# KiCad board ciaa_acc.kicad_pcb (continued)
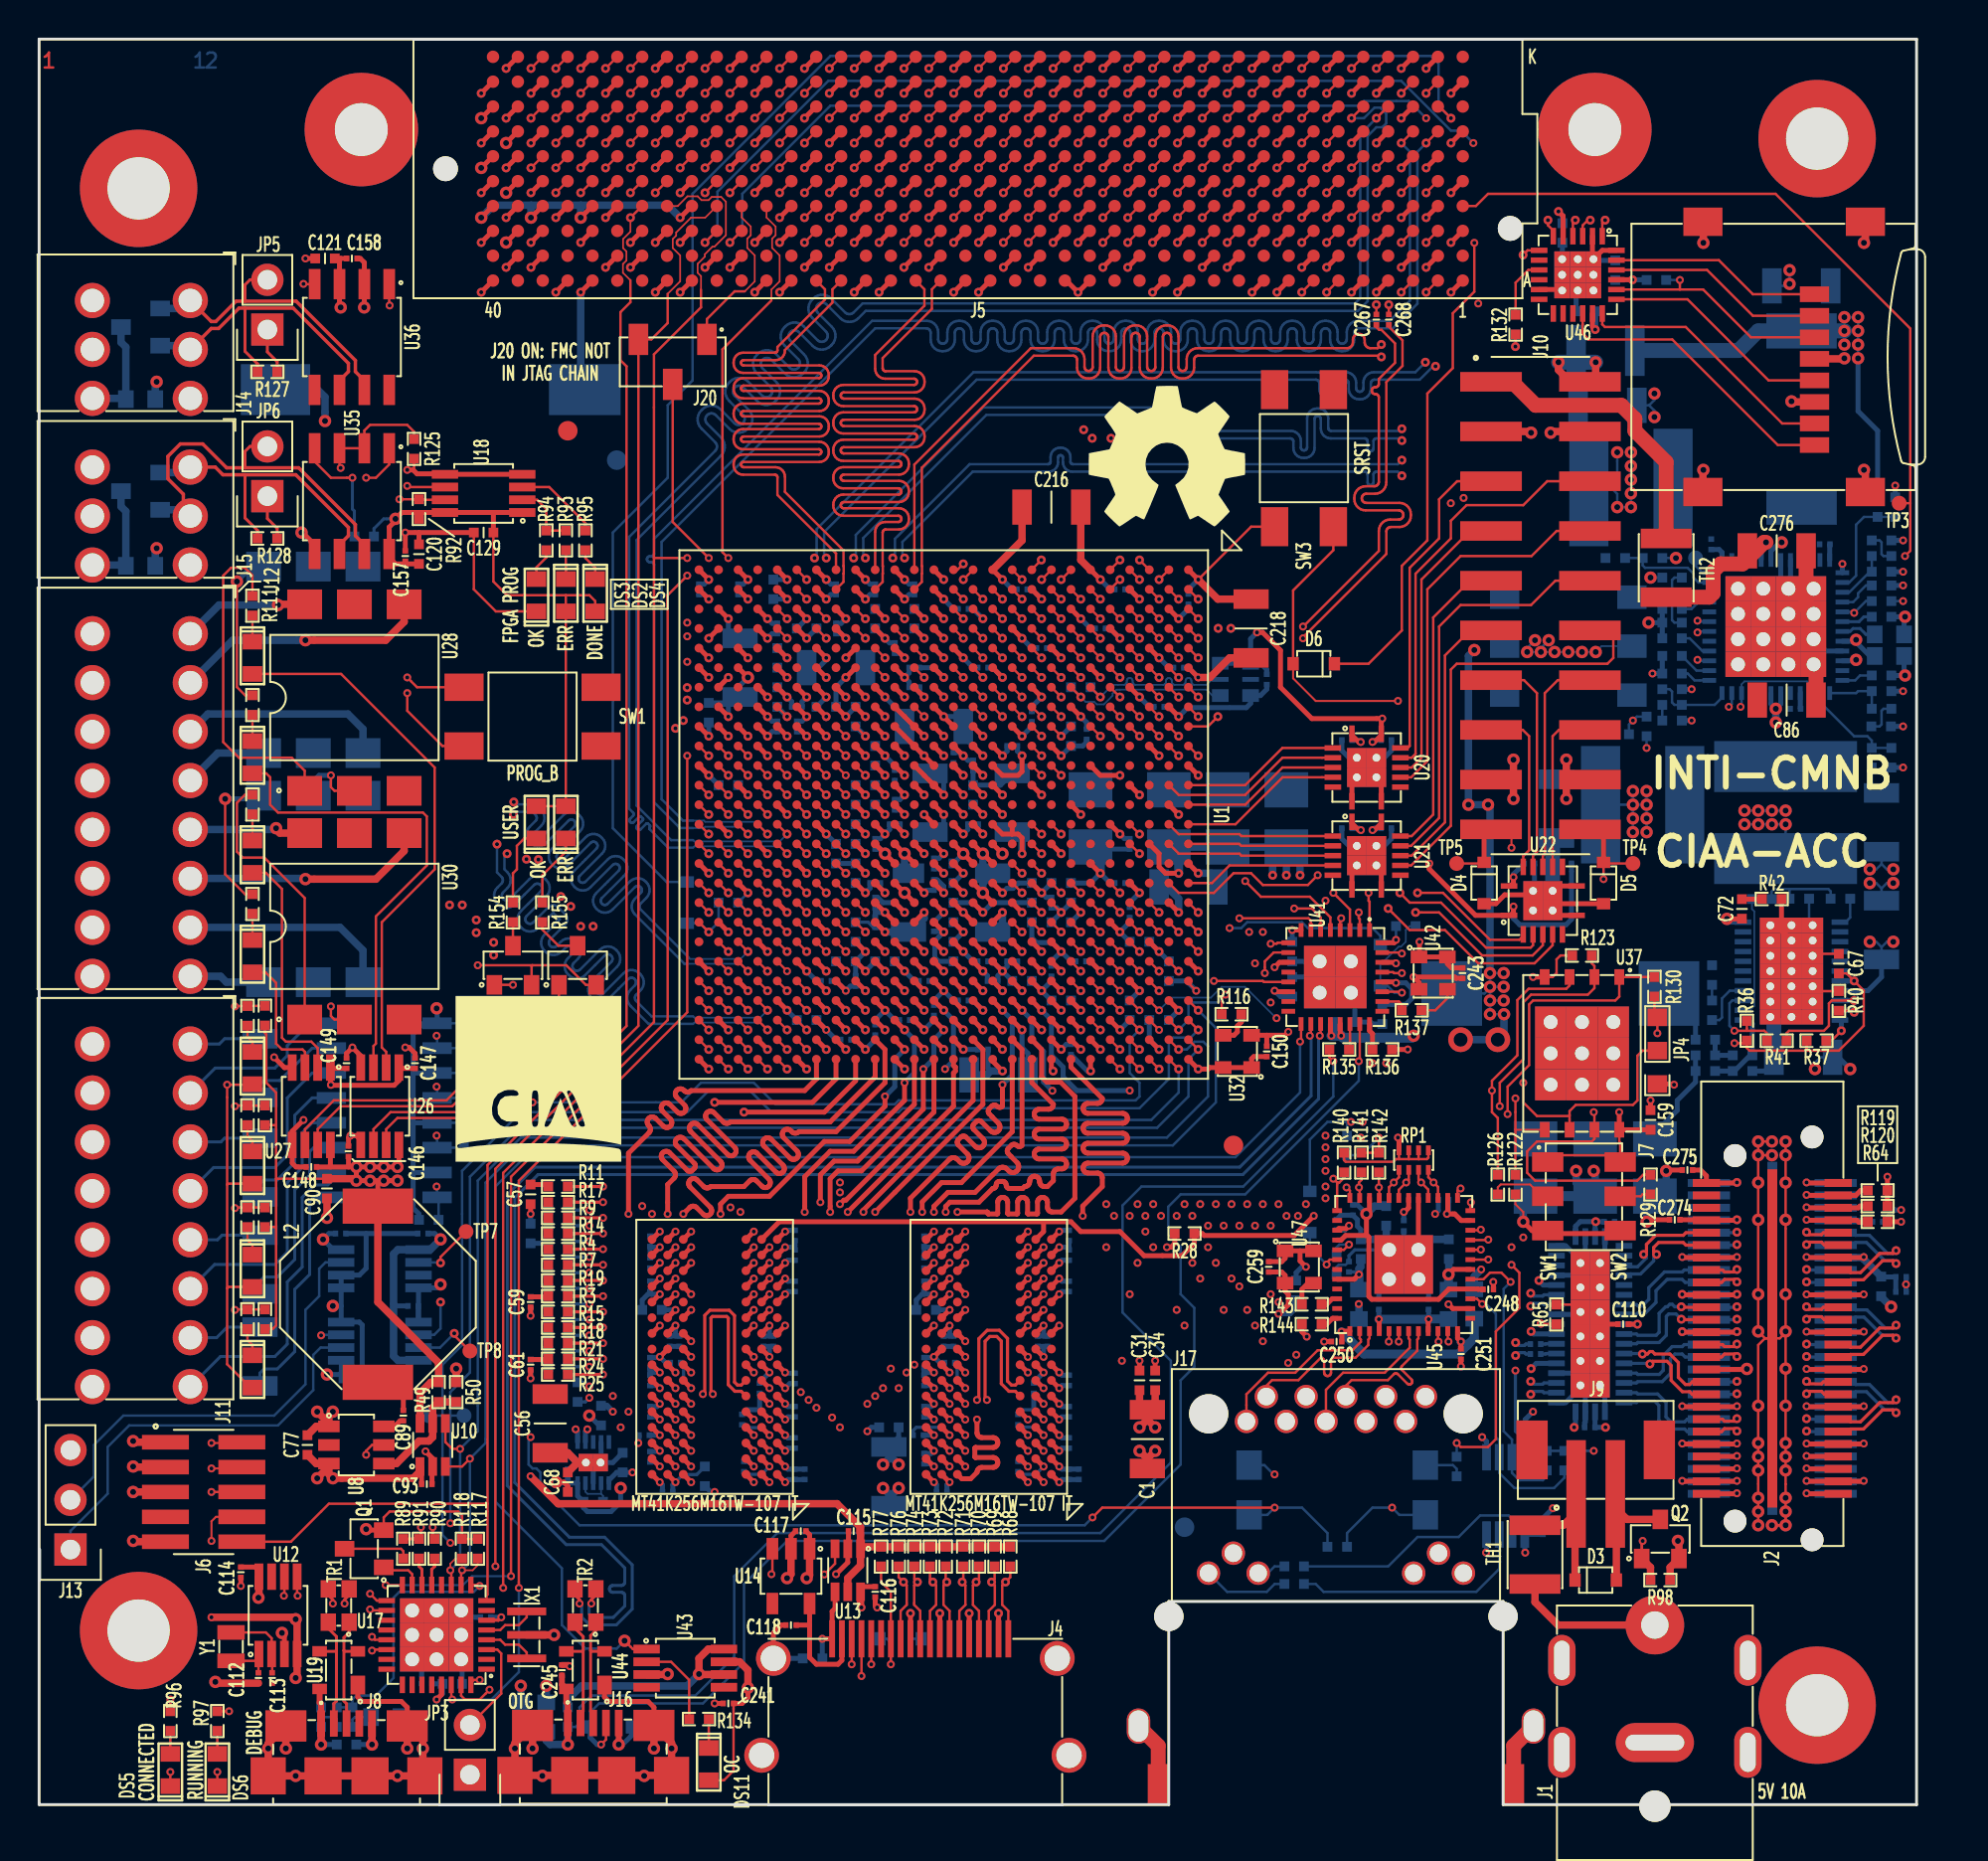
[diagram p0: board, top side]
## Routing (per net, layer and track width the routed paths; a pad name or vN(x,y) marks a point on that pad's centre or on a via; arc(x,y) is an arc through that point) (continued)
/Principal/BANKS_HP/FMC_HB_19_N: length 54.3
  TOP_L1.Sig w0.127: J5.E34 30.79,82.92 v2(30.2,82.32) ; U1.K3 v2(50.2,60.57)
  L5.Sig w0.089: v2(50.2,60.57) 49.7,60.07 49,60.07 48.58,60.49 48.58,63.13 48.56,63.15 48.56,63.76 45.89,66.44 29.12,66.44 28.96,66.6 28.91,66.67 28.87,66.74 28.85,66.82 28.85,66.9 28.87,66.98 28.91,67.06 28.96,67.12 29.07,67.24 29.09,67.26 29.1,67.28 29.1,67.3 29.1,67.33 29.1,67.35 29.09,67.37 29.07,67.39 29.05,67.41 29.03,67.42 29,67.42 28.98,67.42 28.96,67.42 28.93,67.41 28.91,67.39 28.21,66.69 28.14,66.63 28.07,66.6 27.99,66.58 27.91,66.58 27.83,66.6 27.75,66.63 27.69,66.69 27.66,66.72 27.61,66.78 27.57,66.86 27.55,66.94 27.55,67.02 27.57,67.1 27.61,67.17 27.66,67.24 27.91,67.49 27.93,67.51 27.94,67.53 27.94,67.56 27.94,67.58 27.94,67.61 27.93,67.63 27.91,67.65 27.77,67.79 27.77,68.37 27.77,68.4 27.76,68.44 27.74,68.47 27.71,68.49 27.68,68.51 27.65,68.52 27.61,68.53 26.9,68.53 26.8,68.54 26.72,68.57 26.64,68.62 26.57,68.68 26.52,68.76 26.49,68.85 26.48,68.94 26.48,68.99 26.49,69.08 26.52,69.17 26.57,69.25 26.64,69.32 26.72,69.37 26.8,69.4 26.9,69.41 28.9,69.41 28.94,69.41 28.97,69.42 29,69.44 29.03,69.47 29.05,69.5 29.06,69.53 29.06,69.57 29.06,69.6 29.05,69.64 29.03,69.67 29,69.69 28.97,69.71 28.94,69.72 28.9,69.73 26.9,69.73 26.8,69.74 26.72,69.77 26.64,69.82 26.57,69.88 26.52,69.96 26.49,70.05 26.48,70.14 26.48,70.19 26.49,70.28 26.52,70.37 26.57,70.45 26.64,70.52 26.72,70.57 26.8,70.6 26.9,70.61 27.61,70.61 27.65,70.61 27.68,70.62 27.71,70.64 27.74,70.67 27.76,70.7 27.77,70.73 27.77,70.77 27.77,73.75 30.69,76.67 30.69,81.83 v2(30.2,82.32)
/Principal/BANKS_HP/FMC_HB_19_P: length 54.3
  TOP_L1.Sig w0.127: v2(31.47,82.32) 32.06,82.92 J5.E33 ; U1.L3 v2(49.2,60.57)
  L5.Sig w0.089: v2(49.2,60.57) 48.95,60.57 48.82,60.7 48.82,63.13 48.84,63.15 48.84,63.88 46,66.72 29.24,66.72 29.17,66.79 29.15,66.81 29.14,66.83 29.14,66.85 29.14,66.88 29.14,66.9 29.15,66.92 29.17,66.94 29.28,67.06 29.34,67.12 29.37,67.19 29.39,67.27 29.39,67.36 29.37,67.44 29.34,67.51 29.28,67.57 29.25,67.61 29.19,67.66 29.11,67.69 29.03,67.71 28.95,67.71 28.87,67.69 28.8,67.66 28.73,67.61 28.03,66.9 28.01,66.88 27.98,66.87 27.96,66.87 27.94,66.87 27.91,66.87 27.89,66.88 27.87,66.9 27.85,66.92 27.84,66.94 27.84,66.97 27.84,66.99 27.84,67.01 27.85,67.04 27.87,67.06 28.13,67.31 28.18,67.38 28.21,67.45 28.23,67.53 28.23,67.61 28.21,67.69 28.18,67.77 28.13,67.83 28.05,67.9 28.05,68.39 28.04,68.48 28.01,68.57 27.96,68.65 27.9,68.72 27.82,68.77 27.73,68.8 27.64,68.81 26.92,68.81 26.89,68.81 26.85,68.82 26.82,68.84 26.8,68.87 26.78,68.9 26.77,68.93 26.76,68.97 26.77,69 26.78,69.04 26.8,69.07 26.82,69.09 26.85,69.11 26.89,69.12 26.92,69.13 28.93,69.13 29.02,69.14 29.11,69.17 29.19,69.22 29.25,69.28 29.3,69.36 29.33,69.45 29.34,69.54 29.34,69.59 29.33,69.68 29.3,69.77 29.25,69.85 29.19,69.92 29.11,69.97 29.02,70 28.93,70.01 26.92,70.01 26.89,70.01 26.85,70.02 26.82,70.04 26.8,70.07 26.78,70.1 26.77,70.13 26.76,70.17 26.77,70.2 26.78,70.24 26.8,70.27 26.82,70.29 26.85,70.31 26.89,70.32 26.92,70.33 27.64,70.33 27.73,70.34 27.82,70.37 27.9,70.42 27.96,70.48 28.01,70.56 28.04,70.65 28.05,70.74 28.05,73.63 30.97,76.55 30.97,77.5 30.98,77.55 31,77.61 31.03,77.65 31.07,77.69 31.11,77.72 31.17,77.74 31.22,77.75 31.38,77.75 31.44,77.75 31.49,77.77 31.54,77.8 31.58,77.84 31.61,77.89 31.63,77.94 31.63,78 31.63,78.05 31.61,78.11 31.58,78.15 31.54,78.19 31.49,78.22 31.44,78.24 31.38,78.25 31.22,78.25 31.17,78.25 31.11,78.27 31.07,78.3 31.03,78.34 31,78.39 30.98,78.44 30.97,78.5 30.98,78.55 31,78.61 31.03,78.65 31.07,78.69 31.11,78.72 31.17,78.74 31.22,78.75 31.38,78.75 31.44,78.75 31.49,78.77 31.54,78.8 31.58,78.84 31.61,78.89 31.63,78.94 31.63,79 31.63,79.05 31.61,79.11 31.58,79.15 31.54,79.19 31.49,79.22 31.44,79.24 31.38,79.25 31.22,79.25 31.17,79.25 31.11,79.27 31.07,79.3 31.03,79.34 31,79.39 30.98,79.44 30.97,79.5 30.97,81.83 v2(31.47,82.32)
/Principal/BANKS_HP/FMC_HB_20_N: length 54.4
  TOP_L1.Sig w0.127: v2(25.12,83.59) 25.71,84.19 J5.F38 ; U1.N6 v2(47.2,57.57)
  L5.Sig w0.089: v2(25.12,83.59) 25.75,83.59 26.26,84.1 26.64,84.1 26.9,83.85 26.9,83.34 26.64,83.09 26.39,83.09 25.89,82.59 25.89,76.55 23.48,74.14 23.48,66 25.05,64.43 45.11,64.43 45.84,63.7 45.84,63.15 45.83,63.13 45.83,59.39 45.83,57.28 45.82,57.27 45.9,57.19 46.82,57.19 v2(47.2,57.57)
/Principal/BANKS_HP/FMC_HB_20_P: length 53.7
  TOP_L1.Sig w0.127: U1.N7 v2(47.2,56.57) ; J5.F37 26.98,84.19 v2(26.39,83.59)
  L5.Sig w0.089: v2(47.2,56.57) 46.82,56.95 45.8,56.95 45.56,57.19 45.57,57.21 45.57,63.13 45.56,63.15 45.56,63.59 45,64.15 24.93,64.15 23.2,65.88 23.2,74.25 24.14,75.2 24.18,75.25 24.21,75.31 24.23,75.37 24.23,75.44 24.21,75.51 24.18,75.57 24.14,75.62 23.86,75.9 23.82,75.96 23.79,76.02 23.77,76.08 23.77,76.15 23.79,76.21 23.82,76.27 23.86,76.33 23.91,76.37 23.97,76.4 24.04,76.41 24.11,76.41 24.17,76.4 24.23,76.37 24.28,76.33 24.57,76.04 24.62,76 24.68,75.97 24.75,75.96 24.81,75.96 24.88,75.97 24.94,76 24.99,76.04 25.61,76.67 25.61,82.82 v2(26.39,83.59)
/Principal/BANKS_HP/FMC_HB_21_N: length 54.3
  TOP_L1.Sig w0.127: J5.E37 26.98,82.92 v2(26.39,82.32) ; U1.M1 v2(47.2,62.57)
  L5.Sig w0.089: v2(26.39,82.32) 26.88,81.83 26.88,75.78 24.98,73.87 24.98,73.76 24.97,73.73 24.96,73.7 24.95,73.67 24.93,73.65 24.9,73.64 24.87,73.63 24.84,73.62 24.16,73.62 24.08,73.61 23.99,73.58 23.92,73.54 23.86,73.47 23.81,73.4 23.78,73.32 23.77,73.23 23.77,73.18 23.78,73.1 23.81,73.01 23.86,72.94 23.92,72.88 23.99,72.83 24.08,72.8 24.16,72.79 24.84,72.79 24.87,72.79 24.9,72.78 24.93,72.76 24.95,72.74 24.96,72.72 24.97,72.69 24.98,72.66 24.97,72.63 24.96,72.6 24.95,72.57 24.93,72.55 24.9,72.54 24.87,72.53 24.84,72.52 24.16,72.52 24.08,72.51 23.99,72.48 23.92,72.44 23.86,72.37 23.81,72.3 23.78,72.22 23.77,72.13 23.77,72.08 23.78,72 23.81,71.91 23.86,71.84 23.92,71.78 23.99,71.73 24.08,71.7 24.16,71.69 24.84,71.69 24.87,71.69 24.9,71.68 24.93,71.66 24.95,71.64 24.96,71.62 24.97,71.59 24.98,71.56 24.97,71.53 24.96,71.5 24.95,71.47 24.93,71.45 24.9,71.44 24.87,71.43 24.84,71.42 24.16,71.42 24.08,71.41 23.99,71.38 23.92,71.34 23.86,71.27 23.81,71.2 23.78,71.12 23.77,71.03 23.77,70.98 23.78,70.9 23.81,70.81 23.86,70.74 23.92,70.68 23.99,70.63 24.08,70.6 24.16,70.59 24.84,70.59 24.87,70.59 24.9,70.58 24.93,70.56 24.95,70.54 24.96,70.52 24.97,70.49 24.98,70.46 24.97,70.43 24.96,70.4 24.95,70.37 24.93,70.35 24.9,70.34 24.87,70.33 24.84,70.32 24.16,70.32 24.08,70.31 23.99,70.28 23.92,70.24 23.86,70.17 23.81,70.1 23.78,70.02 23.77,69.93 23.77,69.88 23.78,69.8 23.81,69.71 23.86,69.64 23.92,69.58 23.99,69.53 24.08,69.5 24.16,69.49 24.84,69.49 24.87,69.49 24.9,69.48 24.93,69.46 24.95,69.44 24.96,69.42 24.97,69.39 24.98,69.36 24.97,69.33 24.96,69.3 24.95,69.27 24.93,69.25 24.9,69.24 24.87,69.23 24.84,69.22 24.16,69.22 24.08,69.21 23.99,69.18 23.92,69.14 23.86,69.07 23.81,69 23.78,68.92 23.77,68.83 23.77,68.78 23.78,68.7 23.81,68.61 23.86,68.54 23.92,68.48 23.99,68.43 24.08,68.4 24.16,68.39 24.84,68.39 24.87,68.39 24.9,68.38 24.93,68.36 24.95,68.34 24.96,68.32 24.97,68.29 24.98,68.26 24.97,68.23 24.96,68.2 24.95,68.17 24.93,68.15 24.9,68.14 24.87,68.13 24.84,68.12 24.16,68.12 24.08,68.11 23.99,68.08 23.92,68.04 23.86,67.97 23.81,67.9 23.78,67.82 23.77,67.73 23.77,67.68 23.78,67.6 23.81,67.51 23.86,67.44 23.92,67.38 23.99,67.33 24.08,67.3 24.16,67.29 24.84,67.29 24.87,67.29 24.9,67.28 24.93,67.26 24.95,67.24 24.96,67.22 24.97,67.19 24.98,67.16 24.98,66.26 26.33,64.91 45.25,64.91 46.56,63.61 46.56,63.21 v2(47.2,62.57)
/Principal/BANKS_HP/FMC_HB_21_P: length 54.3
  TOP_L1.Sig w0.127: J5.E36 28.25,82.92 v2(27.66,82.32) ; v2(47.2,63.37) 46.9,63.07 U1.N1
  L5.Sig w0.089: v2(27.66,82.32) 27.16,81.83 27.16,76.86 27.17,76.82 27.18,76.79 27.2,76.75 27.23,76.73 27.26,76.71 27.3,76.69 27.34,76.69 27.39,76.69 27.43,76.68 27.46,76.67 27.5,76.65 27.52,76.62 27.55,76.59 27.56,76.55 27.56,76.51 27.56,76.47 27.55,76.44 27.52,76.4 27.5,76.38 27.46,76.36 27.43,76.34 27.39,76.34 27.34,76.34 27.3,76.33 27.26,76.32 27.23,76.3 27.2,76.27 27.18,76.24 27.17,76.2 27.16,76.16 27.16,75.66 27.14,75.63 27.12,75.6 27.11,75.56 27.11,75.52 27.12,75.48 27.14,75.45 27.16,75.41 27.2,75.38 27.22,75.35 27.24,75.31 27.25,75.28 27.25,75.24 27.24,75.2 27.22,75.16 27.2,75.13 27.17,75.11 27.13,75.09 27.09,75.08 27.05,75.08 27.02,75.09 26.98,75.11 26.95,75.13 26.92,75.17 26.88,75.19 26.85,75.21 26.81,75.22 26.77,75.22 26.73,75.21 26.7,75.19 26.67,75.17 25.26,73.76 25.26,73.73 25.25,73.65 25.22,73.56 25.17,73.49 25.11,73.43 25.04,73.38 24.95,73.35 24.87,73.34 24.19,73.34 24.16,73.34 24.13,73.33 24.1,73.31 24.08,73.29 24.07,73.27 24.06,73.24 24.05,73.21 24.06,73.18 24.07,73.15 24.08,73.12 24.1,73.1 24.13,73.09 24.16,73.08 24.19,73.07 24.87,73.07 24.95,73.06 25.04,73.03 25.11,72.99 25.17,72.92 25.22,72.85 25.25,72.77 25.26,72.68 25.26,72.63 25.25,72.55 25.22,72.46 25.17,72.39 25.11,72.33 25.04,72.28 24.95,72.25 24.87,72.24 24.19,72.24 24.16,72.24 24.13,72.23 24.1,72.21 24.08,72.19 24.07,72.17 24.06,72.14 24.05,72.11 24.06,72.08 24.07,72.05 24.08,72.02 24.1,72 24.13,71.99 24.16,71.98 24.19,71.97 24.87,71.97 24.95,71.96 25.04,71.93 25.11,71.89 25.17,71.82 25.22,71.75 25.25,71.67 25.26,71.58 25.26,71.53 25.25,71.45 25.22,71.36 25.17,71.29 25.11,71.23 25.04,71.18 24.95,71.15 24.87,71.14 24.19,71.14 24.16,71.14 24.13,71.13 24.1,71.11 24.08,71.09 24.07,71.07 24.06,71.04 24.05,71.01 24.06,70.98 24.07,70.95 24.08,70.92 24.1,70.9 24.13,70.89 24.16,70.88 24.19,70.87 24.87,70.87 24.95,70.86 25.04,70.83 25.11,70.79 25.17,70.72 25.22,70.65 25.25,70.57 25.26,70.48 25.26,70.43 25.25,70.35 25.22,70.26 25.17,70.19 25.11,70.13 25.04,70.08 24.95,70.05 24.87,70.04 24.19,70.04 24.16,70.04 24.13,70.03 24.1,70.01 24.08,69.99 24.07,69.97 24.06,69.94 24.05,69.91 24.06,69.88 24.07,69.85 24.08,69.82 24.1,69.8 24.13,69.79 24.16,69.78 24.19,69.77 24.87,69.77 24.95,69.76 25.04,69.73 25.11,69.69 25.17,69.62 25.22,69.55 25.25,69.47 25.26,69.38 25.26,69.33 25.25,69.25 25.22,69.16 25.17,69.09 25.11,69.03 25.04,68.98 24.95,68.95 24.87,68.94 24.19,68.94 24.16,68.94 24.13,68.93 24.1,68.91 24.08,68.89 24.07,68.87 24.06,68.84 24.05,68.81 24.06,68.78 24.07,68.75 24.08,68.72 24.1,68.7 24.13,68.69 24.16,68.68 24.19,68.67 24.87,68.67 24.95,68.66 25.04,68.63 25.11,68.59 25.17,68.52 25.22,68.45 25.25,68.37 25.26,68.28 25.26,68.23 25.25,68.15 25.22,68.06 25.17,67.99 25.11,67.93 25.04,67.88 24.95,67.85 24.87,67.84 24.19,67.84 24.16,67.84 24.13,67.83 24.1,67.81 24.08,67.79 24.07,67.77 24.06,67.74 24.05,67.71 24.06,67.68 24.07,67.65 24.08,67.62 24.1,67.6 24.13,67.59 24.16,67.58 24.19,67.57 24.87,67.57 24.95,67.56 25.04,67.53 25.11,67.49 25.17,67.42 25.22,67.35 25.25,67.27 25.26,67.18 25.26,66.38 26.45,65.19 45.37,65.19 47.19,63.37 v2(47.2,63.37)
/Principal/BANKS_HP/GPIO0: length 8.2
  TOP_L1.Sig w0.127: U20.2 63.5,53.97 61.6,52.07 U1.A12
/Principal/BANKS_HP/GPIO1: length 9.4
  TOP_L1.Sig w0.127: U1.B12 58.2,51.57 61.6,51.57 63.5,53.47 U20.3
/Principal/BANKS_HP/GPIO2: length 8.2
  TOP_L1.Sig w0.127: U20.4 63.5,52.97 61.6,51.07 U1.A13
/Principal/BANKS_HP/GPIO3: length 8.4
  TOP_L1.Sig w0.127: U20.5 63.5,52.47 61.1,50.07 U1.A14
/Principal/BANKS_HP/GPIO4: length 8.6
  TOP_L1.Sig w0.127: U21.2 61.4,49.47 61.3,49.57 58.2,49.57 U1.B14
/Principal/BANKS_HP/GPIO5: length 7.4
  TOP_L1.Sig w0.127: U21.3 61.4,48.97 61.3,49.07 U1.A15
/Principal/BANKS_HP/GPIO6: length 8.6
  TOP_L1.Sig w0.127: U1.B15 58.2,48.57 61.3,48.57 61.4,48.47 U21.4
/Principal/BANKS_HP/GPIO7: length 7.7
  TOP_L1.Sig w0.127: U1.A17 59.9,47.07 60.8,47.97 U21.5
/Principal/BANKS_HP/SYSCLK_N: length 9.2
  TOP_L1.Sig w0.127: U1.F7 v2(54.2,56.57)
  BOT_L12.Sig w0.089: U49.5 59.9,57.47 59.62,57.19 59,57.19 58.97,57.2 58.93,57.21 58.91,57.23 58.88,57.25 58.86,57.28 58.85,57.31 58.85,57.34 58.85,57.39 58.85,57.43 58.84,57.46 58.82,57.49 58.79,57.51 58.77,57.53 58.73,57.54 58.7,57.54 58.67,57.54 58.63,57.53 58.61,57.51 58.58,57.49 58.56,57.46 58.55,57.43 58.55,57.39 58.55,57.34 58.55,57.31 58.54,57.28 58.52,57.25 58.49,57.23 58.47,57.21 58.43,57.2 58.4,57.19 58,57.19 57.97,57.2 57.93,57.21 57.91,57.23 57.88,57.25 57.86,57.28 57.85,57.31 57.85,57.34 57.85,57.39 57.85,57.42 57.84,57.45 57.82,57.48 57.79,57.51 57.77,57.52 57.73,57.53 57.7,57.54 57.67,57.53 57.63,57.52 57.61,57.51 57.58,57.48 57.56,57.45 57.55,57.42 57.55,57.39 57.55,57.34 57.55,57.31 57.54,57.28 57.52,57.25 57.49,57.23 57.47,57.21 57.43,57.2 57.4,57.19 56,57.19 55.97,57.2 55.93,57.21 55.91,57.23 55.88,57.25 55.86,57.28 55.85,57.31 55.85,57.34 55.85,57.39 55.85,57.43 55.84,57.46 55.82,57.49 55.79,57.51 55.77,57.53 55.73,57.54 55.7,57.54 55.67,57.54 55.63,57.53 55.61,57.51 55.58,57.49 55.56,57.46 55.55,57.43 55.55,57.39 55.55,57.34 55.55,57.31 55.54,57.28 55.52,57.25 55.49,57.23 55.47,57.21 55.43,57.2 55.4,57.19 55.09,57.19 55.09,57.19 54.82,57.19 v2(54.2,56.57)
  BOT_L12.Sig w0.127: U1.F7 v2(54.2,56.57)
/Principal/BANKS_HP/SYSCLK_P: length 9.2
  TOP_L1.Sig w0.127: U1.G7 v2(53.2,56.57)
  BOT_L12.Sig w0.089: 60.33,56.65 59.92,56.65 59.62,56.95 55.2,56.95 55.2,56.94 55.02,56.94 54.83,56.75 54.83,56.64 54.38,56.2 54.02,56.2 53.89,56.32 53.45,56.32 v2(53.2,56.57)
  BOT_L12.Sig w0.127: U1.G7 v2(53.2,56.57)
/Principal/BANKS_HP/VADJ_EN: length 55.1
  TOP_L1.Sig w0.127: v1(72.4,18.47) 72.6,18.27 74,18.27 74.4,18.67 74.4,24.17 75.6,25.37 75.6,27.17 v1(75.2,27.57) ; U1.J15 v2(51.2,48.57)
  L5.Sig w0.107: v1(75.2,27.57) 74.7,28.07 74.7,31.57 69.2,37.07 65.6,37.07 64.7,37.97 63.2,37.97 62.6,38.57 59.9,38.57 59.6,38.27 59.6,37.4 59.38,37.19 54.88,37.19 54,38.07 52.9,38.07 52.7,38.27 52.7,42.87 52.5,43.07 51.9,43.07 51.7,43.27 51.7,48.07 v2(51.2,48.57)
  BOT_L12.Sig w0.127: v1(72.4,18.47) R43.1
/Principal/BANKS_HR/CAN_RX: length 56
  TOP_L1.Sig w0.127: v1(13.5,77.67) 13.51,77.66 U36.4 ; U1.AE22 v2(35.2,41.57)
  L10.Sig w0.107: v2(35.2,41.57) 34.7,41.07 34,41.07 32.7,39.77 26.4,39.77 25.2,40.97 21.9,40.97 17.2,45.67 17.2,72.87 13.5,76.57 v1(13.5,77.67)
/Principal/BANKS_HR/CAN_TX: length 52.1
  TOP_L1.Sig w0.127: v1(17.9,76.57) 17.88,76.59 U36.1 ; U1.AF22 v2(34.2,41.57)
  L10.Sig w0.107: v1(17.9,76.57) 17.9,66.07 17.73,65.9 17.73,45.74 22.1,41.37 25.4,41.37 26.6,40.17 32.6,40.17 34,41.57 v2(34.2,41.57)
/Principal/BANKS_HR/DIN0: length 31.4
  TOP_L1.Sig w0.127: U1.AD24 v2(36.2,39.57) ; v1(10,40.77) 10.02,40.79 R103.2 10.65,40.8 R107.1
  L8.Sig w0.107: v1(10,40.77) 11.5,39.27 v1(20.3,39.27)
  L10.Sig w0.107: v2(36.2,39.57) 35.7,39.07 20.5,39.07 v1(20.3,39.27)
  BOT_L12.Sig w0.127: C138.2 21.55,38.64 U23.10 20.33,39.25 v1(20.3,39.27)
/Principal/BANKS_HR/DIN1: length 29.7
  TOP_L1.Sig w0.127: v1(10,35.67) 10.04,35.71 R104.2 R108.1 ; U1.AF25 v2(34.2,38.57)
  L8.Sig w0.107: v1(20.3,36.67) 19.3,35.67 v1(10,35.67)
  L10.Sig w0.089: v2(34.2,38.57) 22.2,38.57 v1(20.3,36.67)
  BOT_L12.Sig w0.127: v1(20.3,36.67) 20.33,36.64 U23.12 21.55,36.1 C139.2
/Principal/BANKS_HR/DIN2: length 35.7
  TOP_L1.Sig w0.127: U1.AD23 v2(36.2,40.57) ; v1(10,30.47) 10.03,30.5 R105.2 R109.1
  L8.Sig w0.107: v2(36.2,40.57) 35.7,40.07 33.4,40.07 27.5,34.17 v1(20.3,34.17) 19.7,33.57 19.7,31.77 18.4,30.47 v1(10,30.47)
  BOT_L12.Sig w0.127: C140.2 21.55,33.56 U23.14 20.33,34.14 v1(20.3,34.17)
/Principal/BANKS_HR/DIN3: length 34.1
  TOP_L1.Sig w0.127: v1(10,25.27) 10.02,25.29 R106.2 R110.1 ; U1.AF24 v2(34.2,39.57)
  L8.Sig w0.107: v1(10,25.27) 14,25.27 v1(20.3,31.57) 26.2,31.57 v2(34.2,39.57)
  BOT_L12.Sig w0.127: v1(20.3,31.57) 20.33,31.55 U23.16 20.4,30.94 C141.2
/Principal/BANKS_HR/DOUT0: length 21.3
  TOP_L1.Sig w0.127: U26.7 17.73,34.5 18.3,35.07 21.59,35.07 v1(22.8,36.27) ; U1.AD26 v2(36.2,37.57)
  L10.Sig w0.089: v2(36.2,37.57) 34.9,36.27 v1(22.8,36.27)
/Principal/BANKS_HR/DOUT1: length 20.9
  TOP_L1.Sig w0.127: U1.AE26 v2(35.2,37.57) ; v1(23.3,36.87) 22.85,36.87 21.35,35.37 17.95,35.37 17.08,34.5 17.08,33.7
  L10.Sig w0.089: v1(23.3,36.87) 34.5,36.87 v2(35.2,37.57)
/Principal/BANKS_HR/DOUT2: length 25.2
  TOP_L1.Sig w0.127: U1.AD25 v2(36.2,38.57) ; v1(23.8,37.47) 22.9,37.47 21.1,35.67 15.4,35.67 14.23,34.5 U27.7
  L10.Sig w0.089: v1(23.8,37.47) 33.4,37.47 33.9,37.97 35.6,37.97 v2(36.2,38.57)
/Principal/BANKS_HR/DOUT3: length 24.8
  TOP_L1.Sig w0.127: 13.58,33.7 13.58,34.5 15.05,35.97 20.8,35.97 22.9,38.07 v1(24.4,38.07) ; U1.AE25 v2(35.2,38.57)
  L10.Sig w0.089: v2(35.2,38.57) 34.83,38.2 33.23,38.2 33.1,38.07 v1(24.4,38.07)
/Principal/BANKS_HR/FMC_CLK0_C2M_N: length 94.1
  TOP_L1.Sig w0.127: v2(69.57,84.86) 70.16,85.46 J5.G3 ; U1.AD14 v2(36.2,49.57)
  BOT_L12.Sig w0.089: 33.4,49.88 33.96,49.88 34.02,49.94 35.83,49.94 v2(36.2,49.57)
  BOT_L12.Sig w0.127: 33.4,49.88 32.72,49.88 31.41,51.19 31.41,63.31 31.41,63.34 31.39,63.37 31.38,63.4 31.35,63.43 31.32,63.44 31.29,63.46 31.26,63.46 31.19,63.46 31.16,63.46 31.13,63.47 31.1,63.49 31.08,63.52 31.06,63.54 31.05,63.58 31.04,63.61 31.05,63.64 31.06,63.67 31.08,63.7 31.1,63.73 31.13,63.74 31.16,63.76 31.19,63.76 31.26,63.76 31.29,63.76 31.32,63.77 31.35,63.79 31.38,63.82 31.39,63.84 31.41,63.88 31.41,63.91 31.41,64.65 42.54,75.78 45.34,75.78 45.46,75.77 45.59,75.73 45.7,75.66 45.79,75.57 45.86,75.46 45.9,75.33 45.92,75.2 45.92,74.85 45.92,74.8 45.94,74.75 45.97,74.7 46,74.67 46.05,74.64 46.1,74.62 46.15,74.62 46.2,74.62 46.25,74.64 46.3,74.67 46.33,74.7 46.36,74.75 46.38,74.8 46.38,74.85 46.38,75.2 46.4,75.33 46.44,75.46 46.51,75.57 46.6,75.66 46.71,75.73 46.84,75.77 46.96,75.78 47.04,75.78 47.16,75.77 47.29,75.73 47.4,75.66 47.49,75.57 47.56,75.46 47.6,75.33 47.62,75.2 47.62,74.85 47.62,74.8 47.64,74.75 47.67,74.7 47.7,74.67 47.75,74.64 47.8,74.62 47.85,74.62 47.9,74.62 47.95,74.64 48,74.67 48.03,74.7 48.06,74.75 48.08,74.8 48.08,74.85 48.08,75.2 48.1,75.33 48.14,75.46 48.21,75.57 48.3,75.66 48.41,75.73 48.54,75.77 48.66,75.78 48.74,75.78 48.86,75.77 48.99,75.73 49.1,75.66 49.19,75.57 49.26,75.46 49.3,75.33 49.32,75.2 49.32,74.85 49.32,74.8 49.34,74.75 49.37,74.7 49.4,74.67 49.45,74.64 49.5,74.62 49.55,74.62 49.6,74.62 49.65,74.64 49.7,74.67 49.73,74.7 49.76,74.75 49.78,74.8 49.78,74.85 49.78,75.2 49.8,75.33 49.84,75.46 49.91,75.57 50,75.66 50.11,75.73 50.24,75.77 50.36,75.78 50.44,75.78 50.56,75.77 50.69,75.73 50.8,75.66 50.89,75.57 50.96,75.46 51,75.33 51.02,75.2 51.02,74.85 51.02,74.8 51.04,74.75 51.07,74.7 51.1,74.67 51.15,74.64 51.2,74.62 51.25,74.62 51.3,74.62 51.35,74.64 51.4,74.67 51.43,74.7 51.46,74.75 51.48,74.8 51.48,74.85 51.48,75.2 51.5,75.33 51.54,75.46 51.61,75.57 51.7,75.66 51.81,75.73 51.94,75.77 52.06,75.78 52.14,75.78 52.26,75.77 52.39,75.73 52.5,75.66 52.59,75.57 52.66,75.46 52.7,75.33 52.72,75.2 52.72,74.85 52.72,74.8 52.74,74.75 52.77,74.7 52.8,74.67 52.85,74.64 52.9,74.62 52.95,74.62 53,74.62 53.05,74.64 53.1,74.67 53.13,74.7 53.16,74.75 53.18,74.8 53.18,74.85 53.18,75.2 53.2,75.33 53.24,75.46 53.31,75.57 53.4,75.66 53.51,75.73 53.64,75.77 53.76,75.78 53.84,75.78 53.96,75.77 54.09,75.73 54.2,75.66 54.29,75.57 54.36,75.46 54.4,75.33 54.42,75.2 54.42,74.85 54.42,74.8 54.44,74.75 54.47,74.7 54.5,74.67 54.55,74.64 54.6,74.62 54.65,74.62 54.7,74.62 54.75,74.64 54.8,74.67 54.83,74.7 54.86,74.75 54.88,74.8 54.88,74.85 54.88,75.2 54.9,75.33 54.94,75.46 55.01,75.57 55.1,75.66 55.21,75.73 55.34,75.77 55.46,75.78 55.54,75.78 55.66,75.77 55.79,75.73 55.9,75.66 55.99,75.57 56.06,75.46 56.1,75.33 56.12,75.2 56.12,74.85 56.12,74.8 56.14,74.75 56.17,74.7 56.2,74.67 56.25,74.64 56.3,74.62 56.35,74.62 56.4,74.62 56.45,74.64 56.5,74.67 56.53,74.7 56.56,74.75 56.58,74.8 56.58,74.85 56.58,75.2 56.6,75.33 56.64,75.46 56.71,75.57 56.8,75.66 56.91,75.73 57.04,75.77 57.16,75.78 57.24,75.78 57.36,75.77 57.49,75.73 57.6,75.66 57.69,75.57 57.76,75.46 57.8,75.33 57.82,75.2 57.82,74.85 57.82,74.8 57.84,74.75 57.87,74.7 57.9,74.67 57.95,74.64 58,74.62 58.05,74.62 58.1,74.62 58.15,74.64 58.2,74.67 58.23,74.7 58.26,74.75 58.28,74.8 58.28,74.85 58.28,75.2 58.3,75.33 58.34,75.46 58.41,75.57 58.5,75.66 58.61,75.73 58.74,75.77 58.86,75.78 58.94,75.78 59.06,75.77 59.19,75.73 59.3,75.66 59.39,75.57 59.46,75.46 59.5,75.33 59.52,75.2 59.52,74.85 59.52,74.8 59.54,74.75 59.57,74.7 59.6,74.67 59.65,74.64 59.7,74.62 59.75,74.62 59.8,74.62 59.85,74.64 59.9,74.67 59.93,74.7 59.96,74.75 59.98,74.8 59.98,74.85 59.98,75.2 60,75.33 60.04,75.46 60.11,75.57 60.2,75.66 60.31,75.73 60.44,75.77 60.56,75.78 60.64,75.78 60.76,75.77 60.89,75.73 61,75.66 61.09,75.57 61.16,75.46 61.2,75.33 61.22,75.2 61.22,74.85 61.22,74.8 61.24,74.75 61.27,74.7 61.3,74.67 61.35,74.64 61.4,74.62 61.45,74.62 61.5,74.62 61.55,74.64 61.6,74.67 61.63,74.7 61.66,74.75 61.68,74.8 61.68,74.85 61.68,75.2 61.7,75.33 61.74,75.46 61.81,75.57 61.9,75.66 62.01,75.73 62.14,75.77 62.26,75.78 62.34,75.78 62.46,75.77 62.59,75.73 62.7,75.66 62.79,75.57 62.86,75.46 62.9,75.33 62.92,75.2 62.92,74.85 62.92,74.8 62.94,74.75 62.97,74.7 63,74.67 63.05,74.64 63.1,74.62 63.15,74.62 63.2,74.62 63.25,74.64 63.3,74.67 63.33,74.7 63.36,74.75 63.38,74.8 63.38,74.85 63.38,75.2 63.4,75.33 63.44,75.46 63.51,75.57 63.6,75.66 63.71,75.73 63.84,75.77 63.96,75.78 64.04,75.78 64.16,75.77 64.29,75.73 64.4,75.66 64.49,75.57 64.56,75.46 64.6,75.33 64.62,75.2 64.62,74.85 64.62,74.8 64.64,74.75 64.67,74.7 64.7,74.67 64.75,74.64 64.8,74.62 64.85,74.62 64.9,74.62 64.95,74.64 65,74.67 65.03,74.7 65.06,74.75 65.08,74.8 65.08,74.85 65.08,75.2 65.1,75.33 65.14,75.46 65.21,75.57 65.3,75.66 65.41,75.73 65.54,75.77 65.66,75.78 65.74,75.78 65.86,75.77 65.99,75.73 66.1,75.66 66.19,75.57 66.26,75.46 66.3,75.33 66.32,75.2 66.32,74.85 66.32,74.8 66.34,74.75 66.37,74.7 66.4,74.67 66.45,74.64 66.5,74.62 66.55,74.62 66.6,74.62 66.65,74.64 66.7,74.67 66.73,74.7 66.76,74.75 66.78,74.8 66.78,74.85 66.78,75.2 66.8,75.33 66.84,75.46 66.91,75.57 67,75.66 67.11,75.73 67.24,75.77 67.36,75.78 68.98,75.78 70.01,76.81 70.01,84.42 v2(69.57,84.86)
/Principal/BANKS_HR/FMC_CLK0_C2M_P: length 94.1
  TOP_L1.Sig w0.127: U1.AC14 v2(37.2,49.57) ; J5.G2 71.43,85.46 v2(70.84,84.86)
  BOT_L12.Sig w0.089: v2(37.2,49.57) 36.57,50.2 34.02,50.2 33.96,50.26 33.4,50.26
  BOT_L12.Sig w0.127: 33.4,50.26 32.88,50.26 31.79,51.35 31.79,64.49 42.7,75.4 45.3,75.4 45.35,75.4 45.4,75.38 45.45,75.35 45.48,75.31 45.51,75.27 45.53,75.22 45.53,75.17 45.53,74.82 45.55,74.69 45.59,74.56 45.66,74.45 45.75,74.36 45.86,74.29 45.99,74.25 46.11,74.24 46.19,74.24 46.31,74.25 46.44,74.29 46.55,74.36 46.64,74.45 46.71,74.56 46.75,74.69 46.77,74.82 46.77,75.17 46.77,75.22 46.79,75.27 46.82,75.31 46.85,75.35 46.9,75.38 46.95,75.4 47,75.4 47.05,75.4 47.1,75.38 47.15,75.35 47.18,75.31 47.21,75.27 47.23,75.22 47.23,75.17 47.23,74.82 47.25,74.69 47.29,74.56 47.36,74.45 47.45,74.36 47.56,74.29 47.69,74.25 47.81,74.24 47.89,74.24 48.01,74.25 48.14,74.29 48.25,74.36 48.34,74.45 48.41,74.56 48.45,74.69 48.47,74.82 48.47,75.17 48.47,75.22 48.49,75.27 48.52,75.31 48.55,75.35 48.6,75.38 48.65,75.4 48.7,75.4 48.75,75.4 48.8,75.38 48.85,75.35 48.88,75.31 48.91,75.27 48.93,75.22 48.93,75.17 48.93,74.82 48.95,74.69 48.99,74.56 49.06,74.45 49.15,74.36 49.26,74.29 49.39,74.25 49.51,74.24 49.59,74.24 49.71,74.25 49.84,74.29 49.95,74.36 50.04,74.45 50.11,74.56 50.15,74.69 50.17,74.82 50.17,75.17 50.17,75.22 50.19,75.27 50.22,75.31 50.25,75.35 50.3,75.38 50.35,75.4 50.4,75.4 50.45,75.4 50.5,75.38 50.55,75.35 50.58,75.31 50.61,75.27 50.63,75.22 50.63,75.17 50.63,74.82 50.65,74.69 50.69,74.56 50.76,74.45 50.85,74.36 50.96,74.29 51.09,74.25 51.21,74.24 51.29,74.24 51.41,74.25 51.54,74.29 51.65,74.36 51.74,74.45 51.81,74.56 51.85,74.69 51.87,74.82 51.87,75.17 51.87,75.22 51.89,75.27 51.92,75.31 51.95,75.35 52,75.38 52.05,75.4 52.1,75.4 52.15,75.4 52.2,75.38 52.25,75.35 52.28,75.31 52.31,75.27 52.33,75.22 52.33,75.17 52.33,74.82 52.35,74.69 52.39,74.56 52.46,74.45 52.55,74.36 52.66,74.29 52.79,74.25 52.91,74.24 52.99,74.24 53.11,74.25 53.24,74.29 53.35,74.36 53.44,74.45 53.51,74.56 53.55,74.69 53.57,74.82 53.57,75.17 53.57,75.22 53.59,75.27 53.62,75.31 53.65,75.35 53.7,75.38 53.75,75.4 53.8,75.4 53.85,75.4 53.9,75.38 53.95,75.35 53.98,75.31 54.01,75.27 54.03,75.22 54.03,75.17 54.03,74.82 54.05,74.69 54.09,74.56 54.16,74.45 54.25,74.36 54.36,74.29 54.49,74.25 54.61,74.24 54.69,74.24 54.81,74.25 54.94,74.29 55.05,74.36 55.14,74.45 55.21,74.56 55.25,74.69 55.27,74.82 55.27,75.17 55.27,75.22 55.29,75.27 55.32,75.31 55.35,75.35 55.4,75.38 55.45,75.4 55.5,75.4 55.55,75.4 55.6,75.38 55.65,75.35 55.68,75.31 55.71,75.27 55.73,75.22 55.73,75.17 55.73,74.82 55.75,74.69 55.79,74.56 55.86,74.45 55.95,74.36 56.06,74.29 56.19,74.25 56.31,74.24 56.39,74.24 56.51,74.25 56.64,74.29 56.75,74.36 56.84,74.45 56.91,74.56 56.95,74.69 56.97,74.82 56.97,75.17 56.97,75.22 56.99,75.27 57.02,75.31 57.05,75.35 57.1,75.38 57.15,75.4 57.2,75.4 57.25,75.4 57.3,75.38 57.35,75.35 57.38,75.31 57.41,75.27 57.43,75.22 57.43,75.17 57.43,74.82 57.45,74.69 57.49,74.56 57.56,74.45 57.65,74.36 57.76,74.29 57.89,74.25 58.01,74.24 58.09,74.24 58.21,74.25 58.34,74.29 58.45,74.36 58.54,74.45 58.61,74.56 58.65,74.69 58.67,74.82 58.67,75.17 58.67,75.22 58.69,75.27 58.72,75.31 58.75,75.35 58.8,75.38 58.85,75.4 58.9,75.4 58.95,75.4 59,75.38 59.05,75.35 59.08,75.31 59.11,75.27 59.13,75.22 59.13,75.17 59.13,74.82 59.15,74.69 59.19,74.56 59.26,74.45 59.35,74.36 59.46,74.29 59.59,74.25 59.71,74.24 59.79,74.24 59.91,74.25 60.04,74.29 60.15,74.36 60.24,74.45 60.31,74.56 60.35,74.69 60.37,74.82 60.37,75.17 60.37,75.22 60.39,75.27 60.42,75.31 60.45,75.35 60.5,75.38 60.55,75.4 60.6,75.4 60.65,75.4 60.7,75.38 60.75,75.35 60.78,75.31 60.81,75.27 60.83,75.22 60.83,75.17 60.83,74.82 60.85,74.69 60.89,74.56 60.96,74.45 61.05,74.36 61.16,74.29 61.29,74.25 61.41,74.24 61.49,74.24 61.61,74.25 61.74,74.29 61.85,74.36 61.94,74.45 62.01,74.56 62.05,74.69 62.07,74.82 62.07,75.17 62.07,75.22 62.09,75.27 62.12,75.31 62.15,75.35 62.2,75.38 62.25,75.4 62.3,75.4 62.35,75.4 62.4,75.38 62.45,75.35 62.48,75.31 62.51,75.27 62.53,75.22 62.53,75.17 62.53,74.82 62.55,74.69 62.59,74.56 62.66,74.45 62.75,74.36 62.86,74.29 62.99,74.25 63.11,74.24 63.19,74.24 63.31,74.25 63.44,74.29 63.55,74.36 63.64,74.45 63.71,74.56 63.75,74.69 63.77,74.82 63.77,75.17 63.77,75.22 63.79,75.27 63.82,75.31 63.85,75.35 63.9,75.38 63.95,75.4 64,75.4 64.05,75.4 64.1,75.38 64.15,75.35 64.18,75.31 64.21,75.27 64.23,75.22 64.23,75.17 64.23,74.82 64.25,74.69 64.29,74.56 64.36,74.45 64.45,74.36 64.56,74.29 64.69,74.25 64.81,74.24 64.89,74.24 65.01,74.25 65.14,74.29 65.25,74.36 65.34,74.45 65.41,74.56 65.45,74.69 65.47,74.82 65.47,75.17 65.47,75.22 65.49,75.27 65.52,75.31 65.55,75.35 65.6,75.38 65.65,75.4 65.7,75.4 65.75,75.4 65.8,75.38 65.85,75.35 65.88,75.31 65.91,75.27 65.93,75.22 65.93,75.17 65.93,74.82 65.95,74.69 65.99,74.56 66.06,74.45 66.15,74.36 66.26,74.29 66.39,74.25 66.51,74.24 66.59,74.24 66.71,74.25 66.84,74.29 66.95,74.36 67.04,74.45 67.11,74.56 67.15,74.69 67.17,74.82 67.17,75.17 67.17,75.22 67.19,75.27 67.22,75.31 67.25,75.35 67.3,75.38 67.35,75.4 67.4,75.4 69.14,75.4 70.39,76.66 70.39,84.42 v2(70.84,84.86)
